# KiCad board ShinyAddOn_panel_2.kicad_pcb (continued)
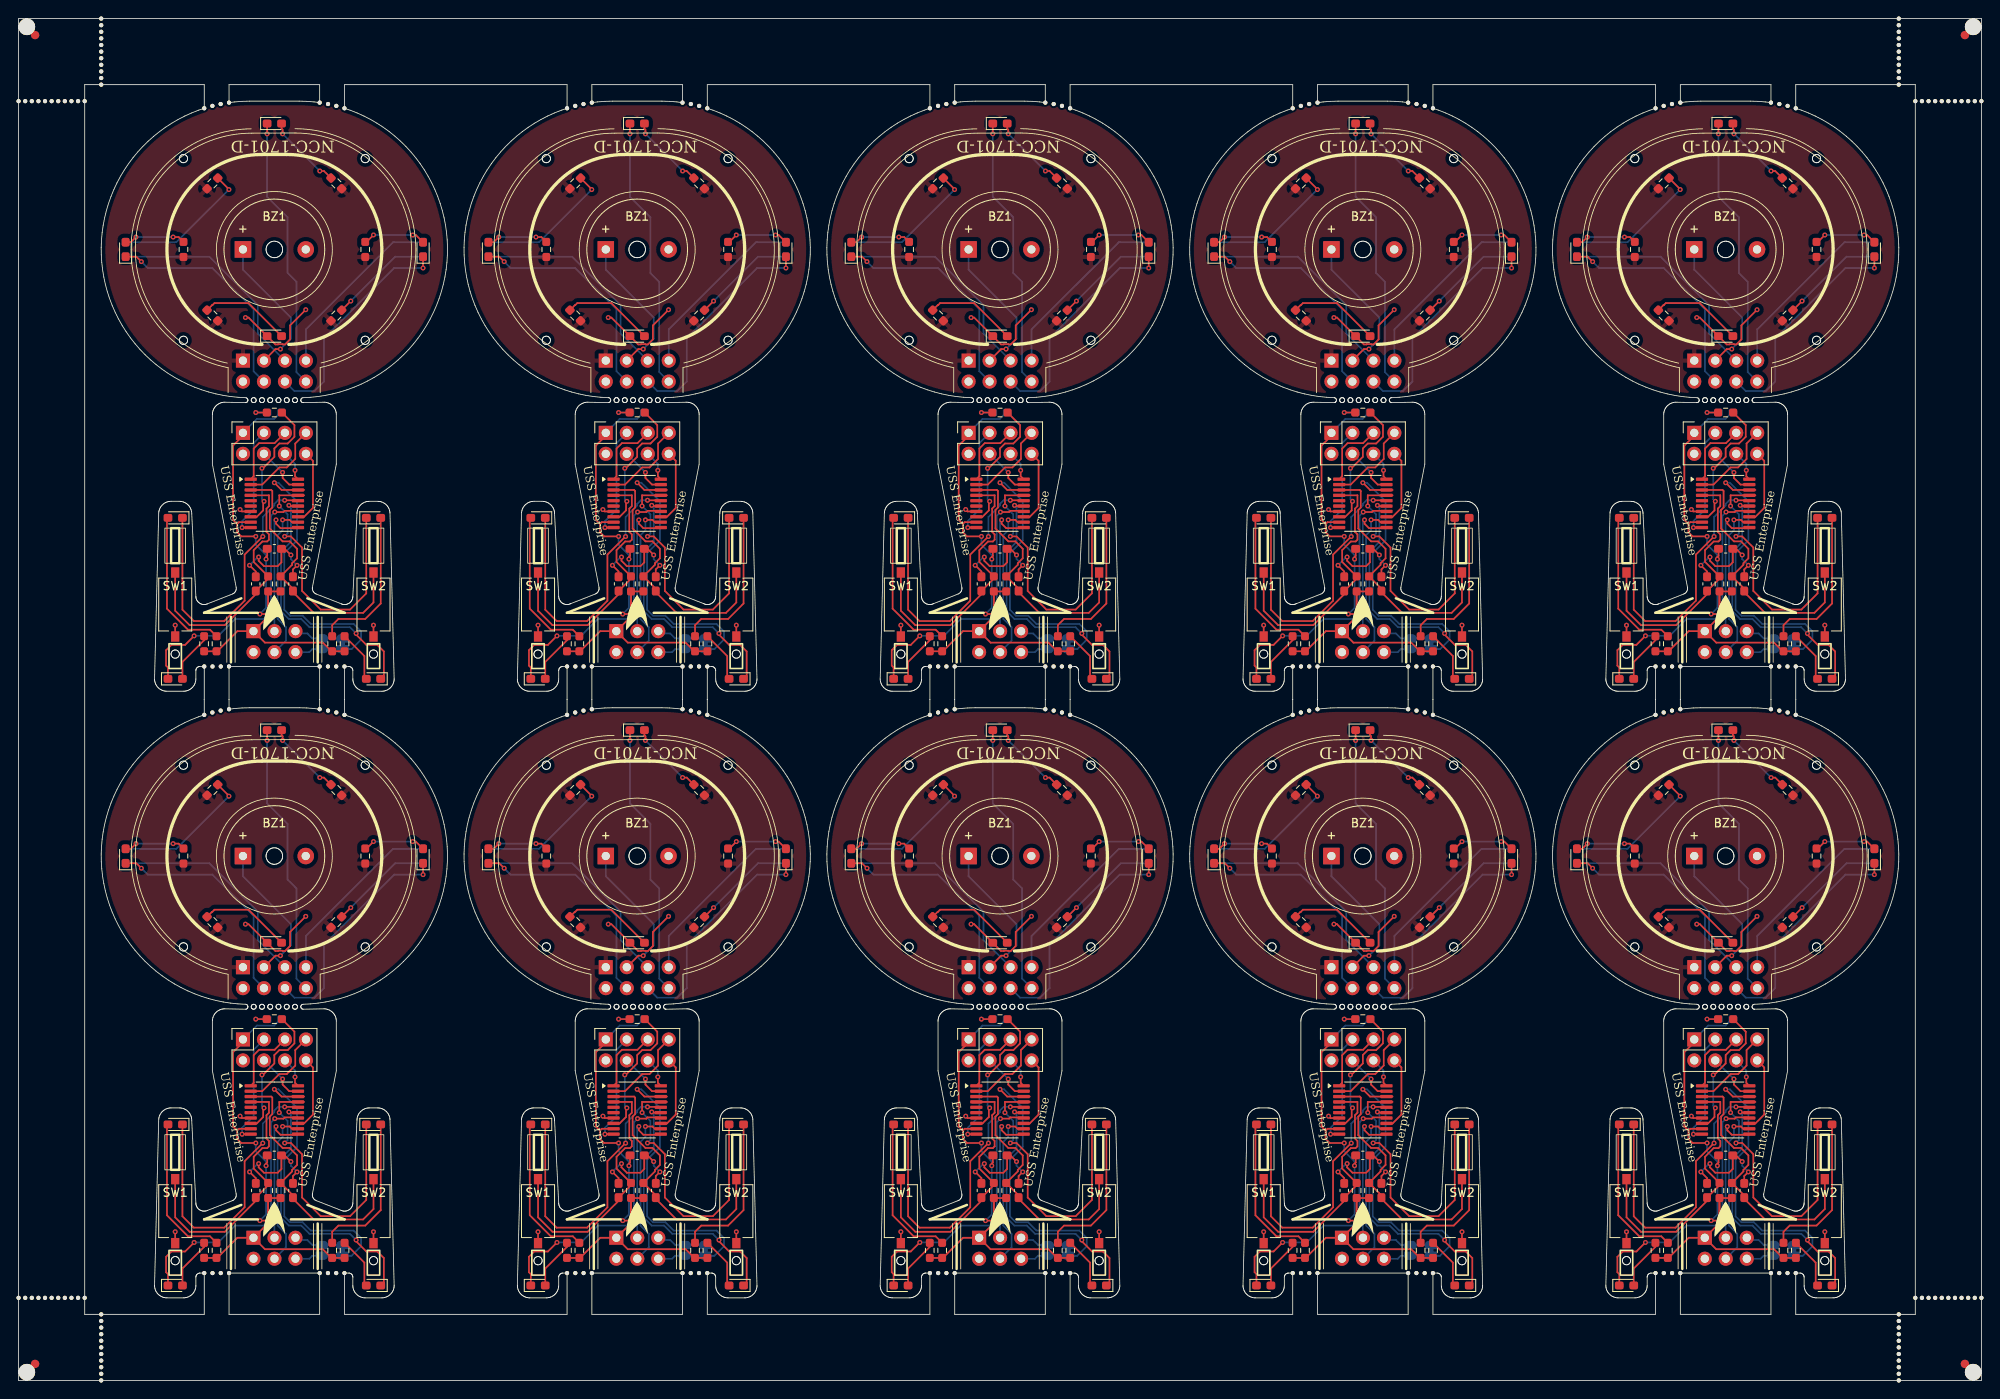
[diagram p0: board, top side]
## Routing (per net, layer and track width the routed paths; a pad name or vN(x,y) marks a point on that pad's centre or on a via; arc(x,y) is an arc through that point) (continued)
Board_2-/GPIO1: length 5.3
  Bottom w0.2: JP1#9.1 J3.2 ; 123.78,89.86 123.38,89.86 122.78,90.46 121.61,90.46 J5#6.5
Board_2-/GPIO2: length 3.1
  Top w0.2: 121.7,88.56 J5#6.6
  Bottom w0.2: 123.78,88.56 123.38,88.56 123.02,88.19 J5#6.6
Board_2-/LED dish bottom l: length 34.9
  Top w0.2: U1#6.1 116.28,109.49 116.28,112.85 116.94,113.5 118.81,113.5 J4#7.5
  Bottom w0.2: D10#9.1 110.91,136.08 116.78,130.21 116.78,126.78 J1#4.5
Board_2-/LED dish bottom r: length 32.7
  Top w0.2: J4#7.7 121.31,113.46 121.31,111.59 120.28,110.56 119.38,110.56 117.31,108.48 U1#6.2
  Bottom w0.2: J1#4.7 122.6,127.28 133.16,137.83 D11#7.1
Board_2-/LED dish top left: length 33.5
  Top w0.2: D8#3.1 102.08,136.08 v1(102.68,135.48) ; U1#6.19 120.58,108.48 119.78,109.28 v1(119.78,109.96)
  Bottom w0.2: v1(119.78,109.96) 117.53,112.21 J4#7.4 ; J1#4.4 116.27,122.21 116.27,129.72 111.28,134.71 103.46,134.71 v1(102.68,135.48)
Board_2-/LED dish top right: length 32.1
  Top w0.2: 120.29,111.7 120.29,112.21 ; v1(121.28,110.21) 121.28,109.49 U1#6.20 ; D9#5.1 v1(136.78,134.71)
  Bottom w0.2: v1(136.78,134.71) 133.28,134.71 124.78,126.21 124.78,120.96 123.63,119.81 121.21,119.81 J1#4.6 ; J4#7.6 121.28,110.99 v1(121.28,110.21)
Board_2-/red_gondeln_left: length 36.5
  Top w0.2: v1(120.03,106.58) 121.6,106.58 U1#6.16 ; D6.1 107.66,93.33 109.03,91.96 112.72,91.96 115.18,94.42 115.18,100.01 117.37,102.19 v1(117.38,102.19)
  Bottom w0.2: v1(117.38,102.19) 117.38,104.56 118.78,105.95 118.78,106.14 119.22,106.58 v1(120.03,106.58)
Board_2-/red_gondeln_right: length 35.9
  Top w0.2: U1#6.17 119.38,107.18 v1(119.38,105.89) ; U1#6.17 122.38,107.18 ; U1#6.17 120.91,107.18 ; v1(120.03,102.21) 120.78,102.21 122.13,100.86 122.13,95.61 124.39,93.35 127.95,93.35 129.91,95.31 D7#9.1
  Bottom w0.2: v1(120.03,102.21) 120.38,102.56 120.38,104.88 v1(119.38,105.89)
Board_2-/SCL: length 19.2
  Top w0.2: U1#6.12 120.91,103.93 120.63,104.21 v1(119.78,104.21)
  Bottom w0.2: v1(119.78,104.21) 119.78,102.95 119.18,102.35 119.18,92.21 120.19,91.21 120.19,89.58 J5#6.4
Board_2-/SDA: length 17.6
  Top w0.2: v1(118.98,104.21) 118.98,103.75 119.53,103.21 121.57,103.21 U1#6.11
  Bottom w0.2: 118.3,91.23 J5#6.3 118.78,90.75 118.78,104.01 v1(118.98,104.21)
Board_2-/sw1: length 33.5
  Top w0.2: SW1#8.1 106.78,93.21 108.53,91.46 112.78,91.46 116.53,95.21 C1#6.1 118.03,97.09 R9.2 116.28,99.12 116.28,100.54 117.33,101.59 117.92,101.59 118.13,101.81 118.13,102.46 117.83,102.76 117.83,105.57 118.13,105.87 118.13,107.18 U1#6.4
Board_2-/sw2: length 33.3
  Top w0.2: SW2#3.1 130.78,94.21 129.52,92.95 123.54,92.95 121.03,95.46 C2.1 121.03,95.87 R8#8.2 120.93,98.77 120.93,98.96 121.53,99.56 121.53,100.71 120.63,101.61 119.78,101.61 118.23,103.16 118.23,105.41 118.53,105.71 118.53,107.71 118.41,107.83 U1#6.3
Board_2-GND: length 29.2
  Top w0.2: v1(115.78,98.71) 116.53,97.96 C1#6.2 ; v1(115.28,128.71) 115.66,128.71 D1#7.1 118.91,125.46 119.23,125.46 119.27,125.49 119.77,125.49 119.8,125.46 120.08,125.46 120.68,126.06 120.68,127.76 v1(122.58,129.66) ; v1(114.63,105.46) 114.86,105.23 U1#6.7 ; C3#6.2 119.65,99.07 119.18,98.61 117.53,98.61 116.88,99.26 v1(116.88,99.71) ; C3#6.2 120.03,100.32 ; C3#6.2 120.03,100.71 v1(120.78,99.96) ; v1(130.78,91.46) SW2#3.2 ; v1(106.78,91.46) SW1#8.2 ; C2.2 121.03,98.21 v1(121.53,98.71)
  Bottom w0.2: v1(115.78,98.71) 116.78,99.71 v1(116.88,99.71) ; v1(121.53,98.71) 120.78,99.46 v1(120.78,99.96)
Board_2-Net-(D1-A): length 11
  Top w0.2: R1.2 111.24,130.21 111.28,130.21 111.53,130.46 115.66,130.46 D1#7.2
Board_2-Net-(D2-K): length 2.7
  Top w0.2: R2#7.1 v1(116.53,117.21)
  Bottom w0.2: v1(116.53,117.21) D2.1
Board_2-Net-(D3-A): length 6.2
  Top w0.2: R3#5.2 129.68,87.72 129.68,85.18 D3#10.2
Board_2-Net-(D4-A): length 6.2
  Top w0.2: R4#6.2 110.28,89.63 107.66,87.01 D4#10.2
Board_2-Net-(D5-A): length 9.4
  Top w0.2: v1(124.28,146.46) 124.78,146.46 R5#6.2 ; v1(119.78,150.96) 119.78,151.46 119.66,151.58 D5#5.2
  Bottom w0.2: v1(119.78,150.96) v1(124.28,146.46)
Board_2-Net-(D6-A): length 18.4
  Top w0.2: 105.98,104.38 105.78,104.18 105.78,93.46 108.33,90.91 111,90.91 R6#9.2
Board_2-Net-(D7-A): length 18.7
  Top w0.2: D7#9.2 131.66,94.08 129.78,92.21 126.53,92.21 125.78,91.46 R7#8.2
Board_2-Net-(D8-A): length 7.6
  Top w0.2: 107.75,137.83 R10#7.2 107.2,138.46 v1(106.53,138.46) ; D8#3.2 101.41,137.83 v1(102.03,138.46)
  Bottom w0.2: v1(102.03,138.46) v1(106.53,138.46)
Board_2-Net-(D9-A): length 7.8
  Top w0.2: v1(130.78,138.71) 129.95,137.87 R11#10.2 129.82,137.83 ; v1(135.53,138.71) 135.91,138.71 D9#5.2
  Bottom w0.2: v1(130.78,138.71) v1(135.53,138.71)
Board_2-Net-(D10-A): length 17.1
  Top w0.2: v1(113.28,144.21) 113.28,144.25 R12.2
  Bottom w0.2: v1(113.28,144.21) 106.91,137.83 D10#9.2
Board_2-Net-(D11-A): length 12.5
  Top w0.2: R13#2.2 v1(128.03,130.71)
  Bottom w0.2: D11#7.2 133.41,136.08 v1(128.03,130.71)
Board_2-Net-(JP1-B): length 37.2
  Top w0.2: v1(118.78,108.71) 119.66,107.83 U1#6.18 ; U1#6.18 122.38,107.83 ; U1#6.18 120.91,107.83
  Bottom w0.2: v1(118.78,108.71) 119.28,108.71 121.53,106.46 121.53,101.73 119.98,100.18 119.98,93.32 120.7,92.61 122.2,92.61 123.2,91.61 128.38,91.61 129.28,90.71 129.28,89.71 128.13,88.56 JP1#9.2 127.98,88.56
Board_2-Net-(U1-PD0): length 16.7
  Top w0.2: R2#7.2 121.21,115.69 121.21,114.27 120.4,113.46 119.38,113.46 118.78,112.86 118.78,111.84 117.4,110.46 v1(117.28,110.46) ; v1(117.53,106.46) 117.43,106.36 117.43,105.36 116.66,104.58 U1#6.8
  Bottom w0.2: v1(117.28,110.46) 117.28,106.71 v1(117.53,106.46)
Board_2-VCC: length 64.3
  Top w0.2: 115.07,114.75 114.53,114.21 114.53,113.96 113.78,113.21 113.78,104.21 114.28,103.71 ; J5#6.1 114.31,90.73 111.87,88.29 R6#9.1 R4#6.1 ; J5#6.1 117.65,89.34 124.65,89.34 125.7,88.29 R7#8.1 R3#5.1 ; J5#6.1 118.03,92.51 R9.1 ; v1(116.53,102.21) 114.78,102.21 114.28,102.71 114.28,103.71 ; 119.78,95.54 R9.1 ; R9.1 118.03,92.81 v1(117.03,92.81) ; 114.28,103.71 114.51,103.93 U1#6.9 ; C3#6.1 117.92,99.84 117.78,99.71 v1(117.78,99.46)
  Bottom w0.2: v1(117.03,92.81) 117.78,93.56 v1(117.78,99.46) 117.78,99.96 116.53,101.21 v1(116.53,102.21) ; D2.2 119.53,117.21 118.76,116.43 116.67,116.43 J4#7.1
Board_3-/blue gondeln left: length 33.4
  Top w0.2: v1(152.99,90.17) 151.89,89.07 150.24,89.07 149.59,88.43 149.59,86.56 149.82,86.33 D4#2.1 ; v1(162.75,105.16) 163.8,105.16 163.95,105.31 165.48,105.31 U1#3.14
  Bottom w0.2: v1(162.75,105.16) 162.3,104.71 162.3,93.06 161.45,92.21 157.95,92.21 155.91,90.17 v1(152.99,90.17)
Board_3-/blue gondeln right: length 32.6
  Top w0.2: v1(164.46,105.97) 164.54,105.88 U1#3.15 ; D3#7.1 175.95,85.33 175.95,88.28 175.15,89.07 173.83,89.07 172.6,90.31 v1(172.6,90.46)
  Bottom w0.2: v1(164.46,105.97) 164.7,105.73 164.7,101.54 163.5,100.34 163.5,93.16 164.45,92.21 165.95,92.21 166.95,91.21 171.85,91.21 v1(172.6,90.46)
Board_3-/blue_front: length 42.5
  Top w0.2: J4#5.8 167.37,111.36 167.37,105.65 166.3,104.58 U1#3.13 ; D5#6.1 161.82,150.83
  Bottom w0.2: v1(161.82,150.96) 161.82,143.33 164.3,140.86 164.3,134.11 165.37,133.04 165.37,122.11 J1#2.8
Board_3-/buzzer: length 31.2
  Top w0.2: U1#3.10 159.83,103.27 v1(158.8,103.27) ; J1#2.3 162.83,124.89 v1(163.43,124.89)
  Bottom w0.2: v1(163.43,124.89) 164.7,126.16 164.7,128.71 158.9,134.51 BZ1#7.1 ; v1(158.8,103.27) 158.8,104.06 160.2,105.46 160.2,113.51 J4#5.3
Board_3-/GPIO1: length 5.3
  Bottom w0.2: J5#4.5 165.53,90.46 166.7,90.46 167.3,89.86 167.7,89.86 ; JP1#10.1 J3#2.2
Board_3-/GPIO2: length 3.1
  Top w0.2: 165.62,88.56 J5#4.6
  Bottom w0.2: 167.7,88.56 167.3,88.56 166.93,88.19 J5#4.6
Board_3-/LED dish bottom l: length 34.9
  Top w0.2: J4#5.5 162.73,113.5 160.85,113.5 160.2,112.85 160.2,109.49 U1#3.1
  Bottom w0.2: D10#4.1 154.82,136.08 160.7,130.21 160.7,126.78 J1#2.5
Board_3-/LED dish bottom r: length 32.7
  Top w0.2: J4#5.7 165.23,113.46 165.23,111.59 164.2,110.56 163.3,110.56 161.22,108.48 U1#3.2
  Bottom w0.2: D11#4.1 177.07,137.83 166.52,127.28 J1#2.7
Board_3-/LED dish top left: length 33.5
  Top w0.2: v1(146.6,135.48) 146,136.08 D8#4.1 ; U1#3.19 164.5,108.48 163.7,109.28 v1(163.7,109.96)
  Bottom w0.2: v1(163.7,109.96) 161.45,112.21 J4#5.4 ; J1#2.4 160.19,122.21 160.19,129.72 155.2,134.71 147.37,134.71 v1(146.6,135.48)
Board_3-/LED dish top right: length 32.1
  Top w0.2: D9#9.1 v1(180.7,134.71) ; U1#3.20 165.2,109.49 v1(165.2,110.21) ; 164.21,111.7 164.21,112.21
  Bottom w0.2: v1(165.2,110.21) 165.2,110.99 J4#5.6 ; v1(180.7,134.71) 177.2,134.71 168.7,126.21 168.7,120.96 167.55,119.81 165.13,119.81 J1#2.6
Board_3-/red_gondeln_left: length 36.5
  Top w0.2: U1#3.16 165.51,106.58 v1(163.95,106.58) ; v1(161.3,102.19) 161.28,102.19 159.1,100.01 159.1,94.42 156.63,91.96 152.95,91.96 151.57,93.33 D6#5.1
  Bottom w0.2: v1(161.3,102.19) 161.3,104.56 162.69,105.95 162.69,106.14 163.14,106.58 v1(163.95,106.58)
Board_3-/red_gondeln_right: length 35.9
  Top w0.2: v1(163.95,102.21) 164.7,102.21 166.05,100.86 166.05,95.61 168.31,93.35 171.86,93.35 173.82,95.31 D7#5.1 ; v1(163.29,105.89) 163.29,107.18 U1#3.17 ; U1#3.17 164.82,107.18 ; U1#3.17 166.3,107.18
  Bottom w0.2: v1(163.29,105.89) 164.3,104.88 164.3,102.56 v1(163.95,102.21)
Board_3-/SCL: length 19.2
  Top w0.2: U1#3.12 164.82,103.93 164.55,104.21 v1(163.7,104.21)
  Bottom w0.2: v1(163.7,104.21) 163.7,102.95 163.1,102.35 163.1,92.21 164.1,91.21 164.1,89.58 J5#4.4
Board_3-/SDA: length 17.6
  Top w0.2: v1(162.9,104.21) 162.9,103.75 163.44,103.21 165.48,103.21 U1#3.11
  Bottom w0.2: v1(162.9,104.21) 162.7,104.01 162.7,90.75 J5#4.3 162.22,91.23
Board_3-/sw1: length 33.5
  Top w0.2: SW1#2.1 150.7,93.21 152.45,91.46 156.7,91.46 160.45,95.21 C1#4.1 161.95,97.09 R9#5.2 160.2,99.12 160.2,100.54 161.25,101.59 161.83,101.59 162.05,101.81 162.05,102.46 161.75,102.76 161.75,105.57 162.05,105.87 162.05,107.18 U1#3.4
Board_3-/sw2: length 33.3
  Top w0.2: U1#3.3 162.32,107.83 162.45,107.71 162.45,105.71 162.15,105.41 162.15,103.16 163.7,101.61 164.55,101.61 165.45,100.71 165.45,99.56 164.85,98.96 164.85,98.77 R8#9.2 164.95,95.87 C2#2.1 164.95,95.46 167.46,92.95 173.44,92.95 174.7,94.21 SW2.1
Board_3-GND: length 29.2
  Top w0.2: v1(174.7,91.46) SW2.2 ; C3#2.2 163.95,100.71 v1(164.7,99.96) ; C3#2.2 163.95,100.32 ; C3#2.2 163.56,99.07 163.1,98.61 161.45,98.61 160.8,99.26 v1(160.8,99.71) ; v1(159.7,98.71) 160.45,97.96 C1#4.2 ; U1#3.7 158.77,105.23 v1(158.55,105.46) ; v1(159.2,128.71) 159.57,128.71 D1#6.1 162.82,125.46 163.15,125.46 163.18,125.49 163.68,125.49 163.71,125.46 164,125.46 164.6,126.06 164.6,127.76 v1(166.5,129.66) ; C2#2.2 164.95,98.21 v1(165.45,98.71) ; v1(150.7,91.46) SW1#2.2
  Bottom w0.2: v1(159.7,98.71) 160.7,99.71 v1(160.8,99.71) ; v1(164.7,99.96) 164.7,99.46 v1(165.45,98.71)
Board_3-Net-(D1-A): length 11
  Top w0.2: D1#6.2 159.57,130.46 155.45,130.46 155.2,130.21 155.16,130.21 R1#6.2
Board_3-Net-(D2-K): length 2.7
  Top w0.2: R2#10.1 v1(160.45,117.21)
  Bottom w0.2: v1(160.45,117.21) D2#6.1
Board_3-Net-(D3-A): length 6.2
  Top w0.2: D3#7.2 173.59,85.18 173.59,87.72 R3#8.2
Board_3-Net-(D4-A): length 6.2
  Top w0.2: R4#8.2 154.2,89.63 151.57,87.01 D4#2.2
Board_3-Net-(D5-A): length 9.4
  Top w0.2: R5#2.2 168.7,146.46 v1(168.2,146.46) ; D5#6.2 163.57,151.58 163.7,151.46 v1(163.7,150.96)
  Bottom w0.2: v1(163.7,150.96) v1(168.2,146.46)
Board_3-Net-(D6-A): length 18.4
  Top w0.2: R6#4.2 154.91,90.91 152.25,90.91 149.7,93.46 149.7,104.18 149.9,104.38
Board_3-Net-(D7-A): length 18.7
  Top w0.2: D7#5.2 175.57,94.08 173.7,92.21 170.45,92.21 169.7,91.46 R7#3.2
Board_3-Net-(D8-A): length 7.6
  Top w0.2: 151.66,137.83 R10#8.2 151.11,138.46 v1(150.45,138.46) ; D8#4.2 145.32,137.83 v1(145.95,138.46)
  Bottom w0.2: v1(145.95,138.46) v1(150.45,138.46)
Board_3-Net-(D9-A): length 7.8
  Top w0.2: D9#9.2 179.82,138.71 v1(179.45,138.71) ; v1(174.7,138.71) 173.86,137.87 R11#7.2 173.73,137.83
  Bottom w0.2: v1(174.7,138.71) v1(179.45,138.71)
Board_3-Net-(D10-A): length 17.1
  Top w0.2: v1(157.2,144.21) 157.2,144.25 R12#8.2
  Bottom w0.2: v1(157.2,144.21) 150.82,137.83 D10#4.2
Board_3-Net-(D11-A): length 12.5
  Top w0.2: R13#7.2 v1(171.95,130.71)
  Bottom w0.2: v1(171.95,130.71) 177.32,136.08 D11#4.2
Board_3-Net-(JP1-B): length 37.2
  Top w0.2: U1#3.18 166.3,107.83 ; U1#3.18 163.57,107.83 v1(162.7,108.71) ; U1#3.18 164.82,107.83
  Bottom w0.2: 171.9,88.56 JP1#10.2 172.05,88.56 173.2,89.71 173.2,90.71 172.3,91.61 167.11,91.61 166.11,92.61 164.61,92.61 163.9,93.32 163.9,100.18 165.45,101.73 165.45,106.46 163.2,108.71 v1(162.7,108.71)
Board_3-Net-(U1-PD0): length 16.7
  Top w0.2: v1(161.45,106.46) 161.35,106.36 161.35,105.36 160.57,104.58 U1#3.8 ; R2#10.2 165.13,115.69 165.13,114.27 164.31,113.46 163.3,113.46 162.7,112.86 162.7,111.84 161.31,110.46 v1(161.2,110.46)
  Bottom w0.2: v1(161.2,110.46) 161.2,106.71 v1(161.45,106.46)
Board_3-VCC: length 64.3
  Top w0.2: v1(161.7,99.46) 161.7,99.71 161.83,99.84 C3#2.1 ; U1#3.9 158.42,103.93 158.2,103.71 ; R4#8.1 R6#4.1 155.78,88.29 158.22,90.73 J5#4.1 ; R3#8.1 R7#3.1 169.61,88.29 168.56,89.34 161.56,89.34 J5#4.1 ; J5#4.1 161.95,92.51 R9#5.1 ; 158.2,103.71 158.2,102.71 158.7,102.21 v1(160.45,102.21) ; 158.2,103.71 157.7,104.21 157.7,113.21 158.45,113.96 158.45,114.21 158.99,114.75 ; 163.7,95.54 R9#5.1 ; R9#5.1 161.95,92.81 v1(160.95,92.81)
  Bottom w0.2: v1(160.95,92.81) 161.7,93.56 v1(161.7,99.46) 161.7,99.96 160.45,101.21 v1(160.45,102.21) ; J4#5.1 160.58,116.43 162.67,116.43 163.45,117.21 D2#6.2
Board_4-/blue gondeln left: length 33.4
  Top w0.2: U1.14 209.4,105.31 207.86,105.31 207.71,105.16 v1(206.66,105.16) ; D4#4.1 193.74,86.33 193.51,86.56 193.51,88.43 194.15,89.07 195.81,89.07 v1(196.9,90.17)
  Bottom w0.2: v1(196.9,90.17) 199.82,90.17 201.86,92.21 205.36,92.21 206.21,93.06 206.21,104.71 v1(206.66,105.16)
Board_4-/blue gondeln right: length 32.6
  Top w0.2: D3#4.1 219.86,85.33 219.86,88.28 219.07,89.07 217.75,89.07 216.51,90.31 v1(216.51,90.46) ; v1(208.37,105.97) 208.46,105.88 U1.15
  Bottom w0.2: v1(208.37,105.97) 208.61,105.73 208.61,101.54 207.41,100.34 207.41,93.16 208.36,92.21 209.86,92.21 210.86,91.21 215.76,91.21 v1(216.51,90.46)
Board_4-/blue_front: length 42.5
  Top w0.2: D5.1 205.74,150.83 ; J4#10.8 211.28,111.36 211.28,105.65 210.21,104.58 U1.13
  Bottom w0.2: v1(205.74,150.96) 205.74,143.33 208.21,140.86 208.21,134.11 209.28,133.04 209.28,122.11 J1#5.8
Board_4-/buzzer: length 31.2
  Top w0.2: J1#5.3 206.75,124.89 v1(207.35,124.89) ; U1.10 203.74,103.27 v1(202.71,103.27)
  Bottom w0.2: v1(207.35,124.89) 208.61,126.16 208.61,128.71 202.81,134.51 BZ1.1 ; v1(202.71,103.27) 202.71,104.06 204.11,105.46 204.11,113.51 J4#10.3
Board_4-/GPIO1: length 5.3
  Bottom w0.2: JP1#3.1 J3#10.2 ; J5#7.5 209.44,90.46 210.61,90.46 211.21,89.86 211.61,89.86
Board_4-/GPIO2: length 3.1
  Top w0.2: 209.53,88.56 J5#7.6
  Bottom w0.2: 211.61,88.56 211.21,88.56 210.85,88.19 J5#7.6
Board_4-/LED dish bottom l: length 34.9
  Top w0.2: U1.1 204.11,109.49 204.11,112.85 204.76,113.5 206.64,113.5 J4#10.5
  Bottom w0.2: D10#10.1 198.74,136.08 204.61,130.21 204.61,126.78 J1#5.5
Board_4-/LED dish bottom r: length 32.7
  Top w0.2: J4#10.7 209.14,113.46 209.14,111.59 208.11,110.56 207.21,110.56 205.14,108.48 U1.2
  Bottom w0.2: D11#3.1 220.99,137.83 210.43,127.28 J1#5.7
Board_4-/LED dish top left: length 33.5
  Top w0.2: v1(190.51,135.48) 189.91,136.08 D8.1 ; U1.19 208.41,108.48 207.61,109.28 v1(207.61,109.96)
  Bottom w0.2: J1#5.4 204.1,122.21 204.1,129.72 199.11,134.71 191.29,134.71 v1(190.51,135.48) ; v1(207.61,109.96) 205.36,112.21 J4#10.4
Board_4-/LED dish top right: length 32.1
  Top w0.2: D9#6.1 v1(224.61,134.71) ; U1.20 209.11,109.49 v1(209.11,110.21) ; 208.12,111.7 208.12,112.21
  Bottom w0.2: J4#10.6 209.11,110.99 v1(209.11,110.21) ; J1#5.6 209.04,119.81 211.46,119.81 212.61,120.96 212.61,126.21 221.11,134.71 v1(224.61,134.71)
Board_4-/red_gondeln_left: length 36.5
  Top w0.2: U1.16 209.42,106.58 v1(207.86,106.58) ; v1(205.21,102.19) 205.19,102.19 203.01,100.01 203.01,94.42 200.55,91.96 196.86,91.96 195.49,93.33 D6#8.1
  Bottom w0.2: v1(207.86,106.58) 207.05,106.58 206.61,106.14 206.61,105.95 205.21,104.56 v1(205.21,102.19)
Board_4-/red_gondeln_right: length 35.9
  Top w0.2: 208.74,107.18 U1.17 ; U1.17 207.21,107.18 v1(207.21,105.89) ; U1.17 210.21,107.18 ; D7#8.1 217.74,95.31 215.77,93.35 212.22,93.35 209.96,95.61 209.96,100.86 208.61,102.21 v1(207.86,102.21)
  Bottom w0.2: v1(207.86,102.21) 208.21,102.56 208.21,104.88 v1(207.21,105.89)
Board_4-/SCL: length 19.2
  Top w0.2: U1.12 208.74,103.93 208.46,104.21 v1(207.61,104.21)
  Bottom w0.2: J5#7.4 208.02,89.58 208.02,91.21 207.01,92.21 207.01,102.35 207.61,102.95 v1(207.61,104.21)
Board_4-/SDA: length 17.6
  Top w0.2: v1(206.81,104.21) 206.81,103.75 207.36,103.21 209.4,103.21 U1.11
  Bottom w0.2: 206.13,91.23 J5#7.3 206.61,90.75 206.61,104.01 v1(206.81,104.21)
Board_4-/sw1: length 33.5
  Top w0.2: U1.4 205.96,107.18 205.96,105.87 205.66,105.57 205.66,102.76 205.96,102.46 205.96,101.81 205.75,101.59 205.16,101.59 204.11,100.54 204.11,99.12 R9#7.2 205.86,97.09 C1.1 204.36,95.21 200.61,91.46 196.36,91.46 194.61,93.21 SW1#4.1
Board_4-/sw2: length 33.3
  Top w0.2: U1.3 206.24,107.83 206.36,107.71 206.36,105.71 206.06,105.41 206.06,103.16 207.61,101.61 208.46,101.61 209.36,100.71 209.36,99.56 208.76,98.96 208.76,98.77 R8#4.2 208.86,95.87 C2#6.1 208.86,95.46 211.37,92.95 217.35,92.95 218.61,94.21 SW2#5.1
Board_4-GND: length 29.2
  Top w0.2: v1(218.61,91.46) SW2#5.2 ; v1(194.61,91.46) SW1#4.2 ; C3#3.2 207.47,99.07 207.01,98.61 205.36,98.61 204.71,99.26 v1(204.71,99.71) ; C3#3.2 207.86,100.71 v1(208.61,99.96) ; C3#3.2 207.86,100.32 ; v1(203.61,98.71) 204.36,97.96 C1.2 ; U1.7 202.69,105.23 v1(202.46,105.46) ; v1(209.36,98.71) 208.86,98.21 C2#6.2 ; v1(210.41,129.66) 208.51,127.76 208.51,126.06 207.91,125.46 207.63,125.46 207.59,125.49 207.1,125.49 207.06,125.46 206.74,125.46 D1#9.1 203.49,128.71 v1(203.11,128.71)
  Bottom w0.2: v1(204.71,99.71) 204.61,99.71 v1(203.61,98.71) ; v1(208.61,99.96) 208.61,99.46 v1(209.36,98.71)
Board_4-Net-(D1-A): length 11
  Top w0.2: D1#9.2 203.49,130.46 199.36,130.46 199.11,130.21 199.07,130.21 R1#4.2
Board_4-Net-(D2-K): length 2.7
  Top w0.2: R2#4.1 v1(204.36,117.21)
  Bottom w0.2: v1(204.36,117.21) D2#5.1
Board_4-Net-(D3-A): length 6.2
  Top w0.2: D3#4.2 217.51,85.18 217.51,87.72 R3#7.2
Board_4-Net-(D4-A): length 6.2
  Top w0.2: D4#4.2 195.49,87.01 198.11,89.63 R4#4.2
Board_4-Net-(D5-A): length 9.4
  Top w0.2: v1(207.61,150.96) 207.61,151.46 207.49,151.58 D5.2 ; v1(212.11,146.46) 212.61,146.46 R5#4.2
  Bottom w0.2: v1(207.61,150.96) v1(212.11,146.46)
Board_4-Net-(D6-A): length 18.4
  Top w0.2: 193.81,104.38 193.61,104.18 193.61,93.46 196.16,90.91 198.82,90.91 R6#8.2
Board_4-Net-(D7-A): length 18.7
  Top w0.2: R7#10.2 213.61,91.46 214.36,92.21 217.61,92.21 219.49,94.08 D7#8.2
Board_4-Net-(D8-A): length 7.6
  Top w0.2: 195.57,137.83 R10#6.2 195.02,138.46 v1(194.36,138.46) ; v1(189.86,138.46) 189.24,137.83 D8.2
  Bottom w0.2: v1(189.86,138.46) v1(194.36,138.46)
Board_4-Net-(D9-A): length 7.8
  Top w0.2: 217.65,137.83 R11#2.2 217.77,137.87 v1(218.61,138.71) ; D9#6.2 223.74,138.71 v1(223.36,138.71)
  Bottom w0.2: v1(218.61,138.71) v1(223.36,138.71)
Board_4-Net-(D10-A): length 17.1
  Top w0.2: v1(201.11,144.21) 201.11,144.25 R12#3.2
  Bottom w0.2: v1(201.11,144.21) 194.74,137.83 D10#10.2
Board_4-Net-(D11-A): length 12.5
  Top w0.2: R13#6.2 v1(215.86,130.71)
  Bottom w0.2: v1(215.86,130.71) 221.24,136.08 D11#3.2
Board_4-Net-(JP1-B): length 37.2
  Top w0.2: U1.18 210.21,107.83 ; U1.18 208.74,107.83 ; U1.18 207.49,107.83 v1(206.61,108.71)
  Bottom w0.2: 215.81,88.56 JP1#3.2 215.96,88.56 217.11,89.71 217.11,90.71 216.21,91.61 211.03,91.61 210.03,92.61 208.53,92.61 207.81,93.32 207.81,100.18 209.36,101.73 209.36,106.46 207.11,108.71 v1(206.61,108.71)
Board_4-Net-(U1-PD0): length 16.7
  Top w0.2: v1(205.11,110.46) 205.23,110.46 206.61,111.84 206.61,112.86 207.21,113.46 208.23,113.46 209.04,114.27 209.04,115.69 R2#4.2 ; U1.8 204.49,104.58 205.26,105.36 205.26,106.36 v1(205.36,106.46)
  Bottom w0.2: v1(205.11,110.46) 205.11,106.71 v1(205.36,106.46)
Board_4-VCC: length 64.3
  Top w0.2: J5#7.1 205.86,92.51 R9#7.1 ; J5#7.1 205.48,89.34 212.48,89.34 213.52,88.29 R7#10.1 R3#7.1 ; J5#7.1 202.14,90.73 199.7,88.29 R6#8.1 R4#4.1 ; R9#7.1 205.86,92.81 v1(204.86,92.81) ; R9#7.1 207.61,95.54 ; 202.11,103.71 202.34,103.93 U1.9 ; 202.11,103.71 201.61,104.21 201.61,113.21 202.36,113.96 202.36,114.21 202.9,114.75 ; 202.11,103.71 202.11,102.71 202.61,102.21 v1(204.36,102.21) ; C3#3.1 205.75,99.84 205.61,99.71 v1(205.61,99.46)
  Bottom w0.2: J4#10.1 204.5,116.43 206.59,116.43 207.36,117.21 D2#5.2 ; v1(204.36,102.21) 204.36,101.21 205.61,99.96 v1(205.61,99.46) 205.61,93.56 v1(204.86,92.81)
Board_5-/blue gondeln left: length 33.4
  Top w0.2: U1#9.14 33.74,31.85 32.21,31.85 32.06,31.7 v1(31,31.7) ; v1(21.25,16.71) 20.15,15.61 18.5,15.61 17.85,14.97 17.85,13.1 18.08,12.88 D4#9.1
  Bottom w0.2: v1(31,31.7) 30.56,31.25 30.56,19.6 29.71,18.75 26.21,18.75 24.16,16.71 v1(21.25,16.71)
Board_5-/blue gondeln right: length 32.6
  Top w0.2: v1(32.72,32.51) 32.8,32.43 U1#9.15 ; v1(40.86,17) 40.86,16.85 42.09,15.61 43.41,15.61 44.21,14.82 44.21,11.88 D3#6.1
  Bottom w0.2: v1(32.72,32.51) 32.96,32.27 32.96,28.09 31.76,26.89 31.76,19.7 32.71,18.75 34.21,18.75 35.21,17.75 40.11,17.75 v1(40.86,17)
Board_5-/blue_front: length 42.5
  Top w0.2: U1#9.13 34.56,31.12 35.63,32.2 35.63,37.9 J4.8 ; D5#4.1 30.08,77.38
  Bottom w0.2: J1#10.8 33.63,48.65 33.63,59.58 32.56,60.65 32.56,67.4 30.08,69.88 v1(30.08,77.5)
Board_5-/buzzer: length 31.2
  Top w0.2: v1(27.06,29.82) 28.08,29.82 U1#9.10 ; v1(31.69,51.43) 31.09,51.43 J1#10.3
  Bottom w0.2: v1(27.06,29.82) 27.06,30.6 28.46,32 28.46,40.05 J4.3 ; v1(31.69,51.43) 32.96,52.7 32.96,55.25 27.16,61.05 BZ1#4.1
Board_5-/GPIO1: length 5.3
  Bottom w0.2: 35.96,16.4 35.56,16.4 34.96,17 33.79,17 J5#8.5 ; JP1#6.1 J3#9.2
Board_5-/GPIO2: length 3.1
  Top w0.2: 33.88,15.1 J5#8.6
  Bottom w0.2: J5#8.6 35.19,14.74 35.56,15.1 35.96,15.1
Board_5-/LED dish bottom l: length 34.9
  Top w0.2: U1#9.1 28.46,36.04 28.46,39.39 29.11,40.04 30.99,40.04 J4.5
  Bottom w0.2: J1#10.5 28.96,53.32 28.96,56.75 23.08,62.63 D10#2.1
Board_5-/LED dish bottom r: length 32.7
  Top w0.2: U1#9.2 29.48,35.03 31.56,37.1 32.46,37.1 33.49,38.13 33.49,40 J4.7
  Bottom w0.2: D11#8.1 45.33,64.38 34.78,53.82 J1#10.7
Board_5-/LED dish top left: length 33.5
  Top w0.2: D8#5.1 14.26,62.63 v1(14.86,62.03) ; U1#9.19 32.76,35.03 31.96,35.83 v1(31.96,36.5)
  Bottom w0.2: J1#10.4 28.45,48.75 28.45,56.26 23.46,61.25 15.63,61.25 v1(14.86,62.03) ; v1(31.96,36.5) 29.71,38.75 J4.4
Board_5-/LED dish top right: length 32.1
  Top w0.2: D9#2.1 v1(48.96,61.25) ; v1(33.46,36.75) 33.46,36.04 U1#9.20 ; 32.47,38.24 32.47,38.75
  Bottom w0.2: v1(33.46,36.75) 33.46,37.53 J4.6 ; J1#10.6 33.39,46.35 35.81,46.35 36.96,47.5 36.96,52.75 45.46,61.25 v1(48.96,61.25)
Board_5-/red_gondeln_left: length 36.5
  Top w0.2: v1(32.21,33.12) 33.77,33.12 U1#9.16 ; D6#3.1 19.83,19.88 21.21,18.5 24.89,18.5 27.36,20.97 27.36,26.55 29.54,28.73 v1(29.56,28.73)
  Bottom w0.2: v1(29.56,28.73) 29.56,31.1 30.95,32.5 30.95,32.68 31.4,33.12 v1(32.21,33.12)
Board_5-/red_gondeln_right: length 35.9
  Top w0.2: D7#7.1 42.08,21.85 40.12,19.89 36.56,19.89 34.31,22.15 34.31,27.4 32.96,28.75 v1(32.21,28.75) ; 33.08,33.73 U1#9.17 ; U1#9.17 34.56,33.73 ; U1#9.17 31.55,33.73 v1(31.55,32.43)
  Bottom w0.2: v1(32.21,28.75) 32.56,29.1 32.56,31.43 v1(31.55,32.43)
Board_5-/SCL: length 19.2
  Top w0.2: v1(31.96,30.75) 32.81,30.75 33.08,30.48 U1#9.12
  Bottom w0.2: J5#8.4 32.36,16.12 32.36,17.75 31.36,18.76 31.36,28.89 31.96,29.49 v1(31.96,30.75)
Board_5-/SDA: length 17.6
  Top w0.2: v1(31.16,30.75) 31.16,30.29 31.7,29.75 33.74,29.75 U1#9.11
  Bottom w0.2: 30.47,17.77 J5#8.3 30.96,17.29 30.96,30.55 v1(31.16,30.75)
Board_5-/sw1: length 33.5
  Top w0.2: U1#9.4 30.31,33.73 30.31,32.42 30,32.11 30,29.3 30.31,29 30.31,28.35 30.09,28.13 29.5,28.13 28.46,27.09 28.46,25.66 R9#6.2 30.21,23.64 C1#8.1 28.71,21.75 24.96,18 20.71,18 18.96,19.75 SW1#10.1
Board_5-/sw2: length 33.3
  Top w0.2: U1#9.3 30.58,34.38 30.71,34.25 30.71,32.25 30.4,31.95 30.4,29.7 31.96,28.15 32.81,28.15 33.71,27.25 33.71,26.1 33.11,25.5 33.11,25.31 R8#2.2 33.21,22.41 C2#8.1 33.21,22 35.71,19.49 41.7,19.49 42.96,20.75 SW2#4.1
Board_5-GND: length 29.2
  Top w0.2: v1(32.96,26.5) 32.21,27.25 C3#10.2 ; C3#10.2 31.82,25.61 31.36,25.15 29.71,25.15 29.06,25.8 v1(29.06,26.25) ; C3#10.2 32.21,26.86 ; v1(18.96,18) SW1#10.2 ; C1#8.2 28.71,24.5 v1(27.96,25.25) ; U1#9.7 27.03,31.78 v1(26.81,32) ; v1(27.46,55.25) 27.83,55.25 D1#2.1 31.08,52 31.41,52 31.44,52.03 31.94,52.03 31.97,52 32.26,52 32.86,52.6 32.86,54.3 v1(34.76,56.2) ; v1(33.71,25.25) 33.21,24.75 C2#8.2 ; v1(42.96,18) SW2#4.2
  Bottom w0.2: v1(29.06,26.25) 28.96,26.25 v1(27.96,25.25) ; v1(33.71,25.25) 32.96,26 v1(32.96,26.5)
Board_5-Net-(D1-A): length 11
  Top w0.2: D1#2.2 27.83,57 23.71,57 23.46,56.75 23.41,56.75 R1#8.2
Board_5-Net-(D2-K): length 2.7
  Top w0.2: R2#3.1 v1(28.71,43.75)
  Bottom w0.2: v1(28.71,43.75) D2#3.1
Board_5-Net-(D3-A): length 6.2
  Top w0.2: R3.2 41.85,14.26 41.85,11.73 D3#6.2
